# Altium PCB MINI_ESC_G0.PcbDoc
Units mm, origin at the board's own origin, x right, y up, seen from the top; angles counter-clockwise.
Board outline 51.5 x 63 mm, 2 copper layers (Top Layer, Bottom Layer); 100 components, 35 nets, 312 pads, 215 vias.
Unrouted connection lines stored in the file: 34.
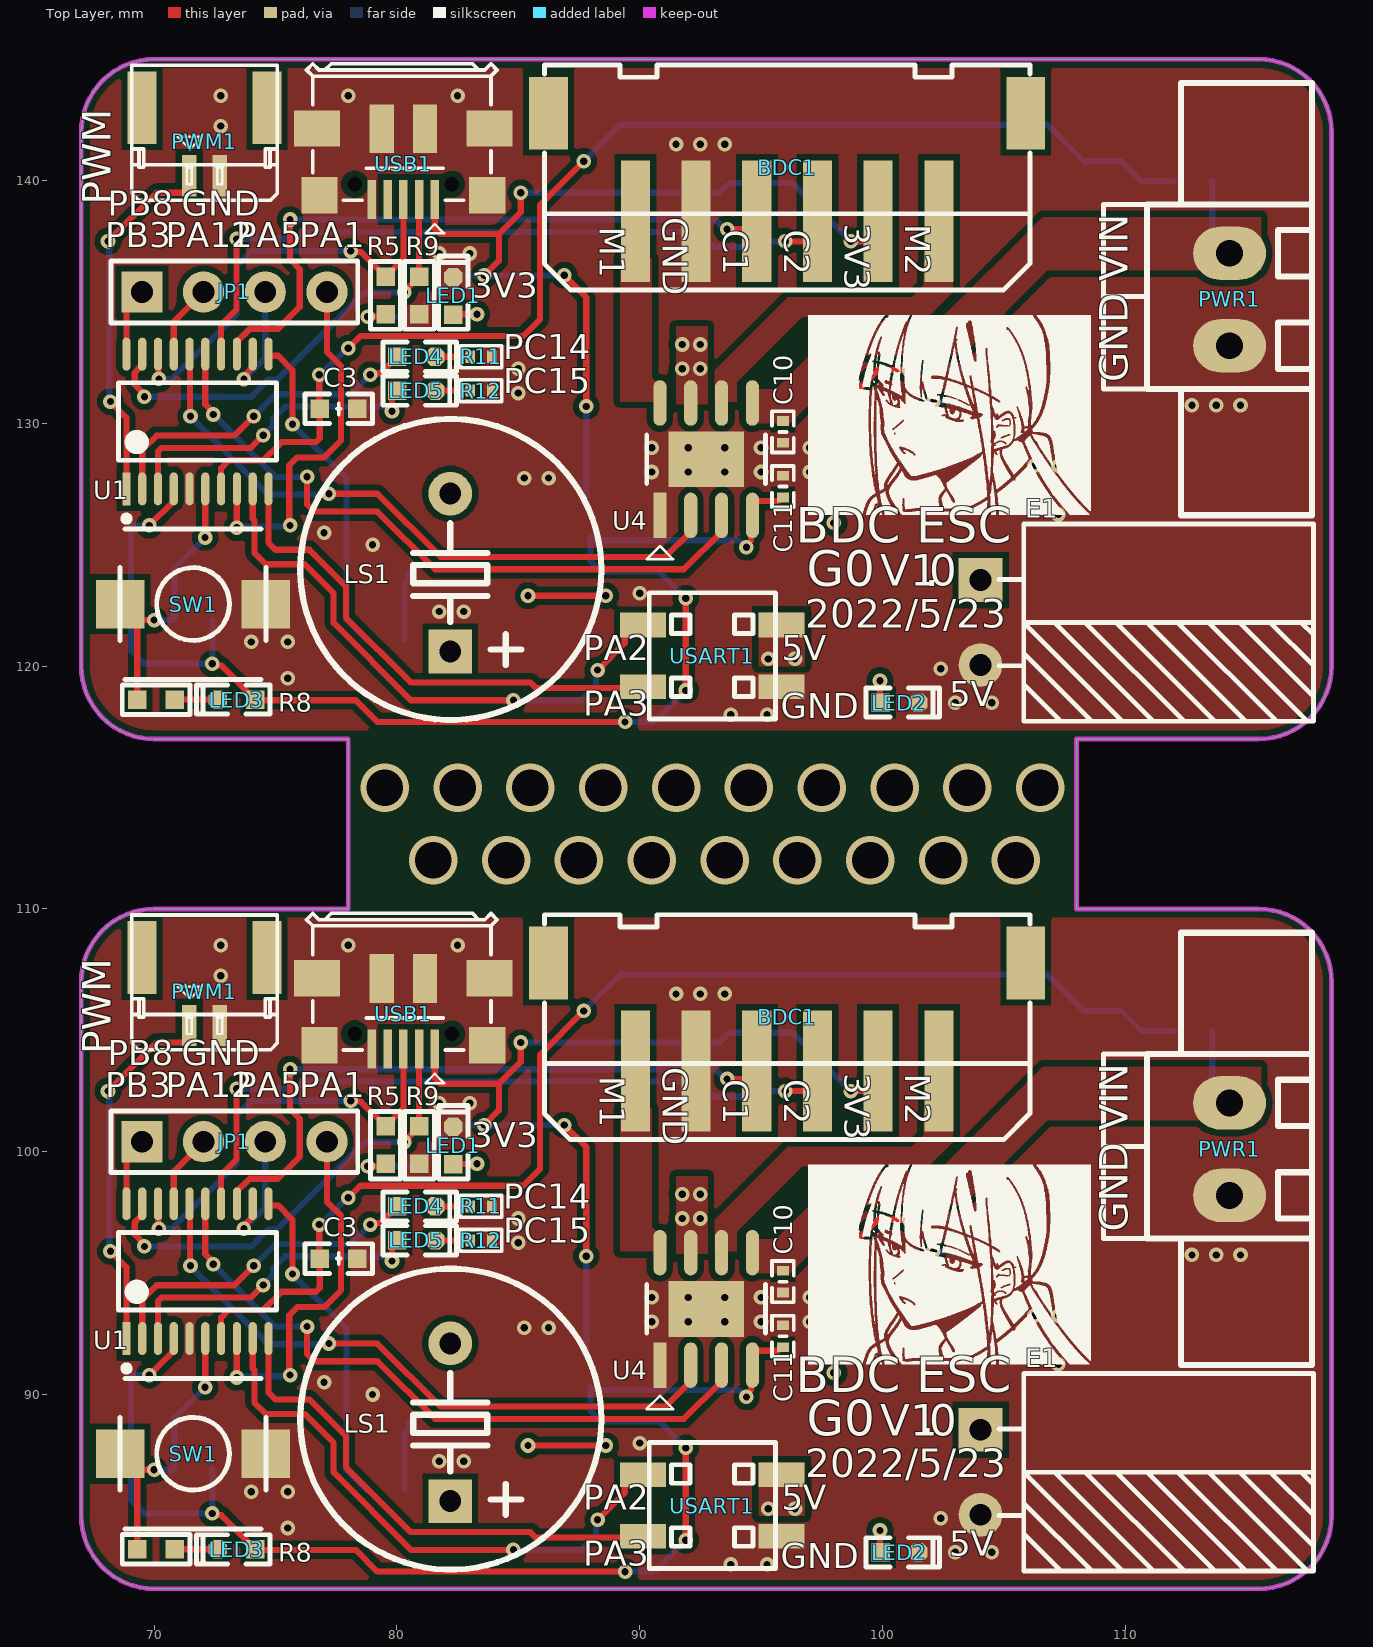
[diagram p0: Top Layer view]
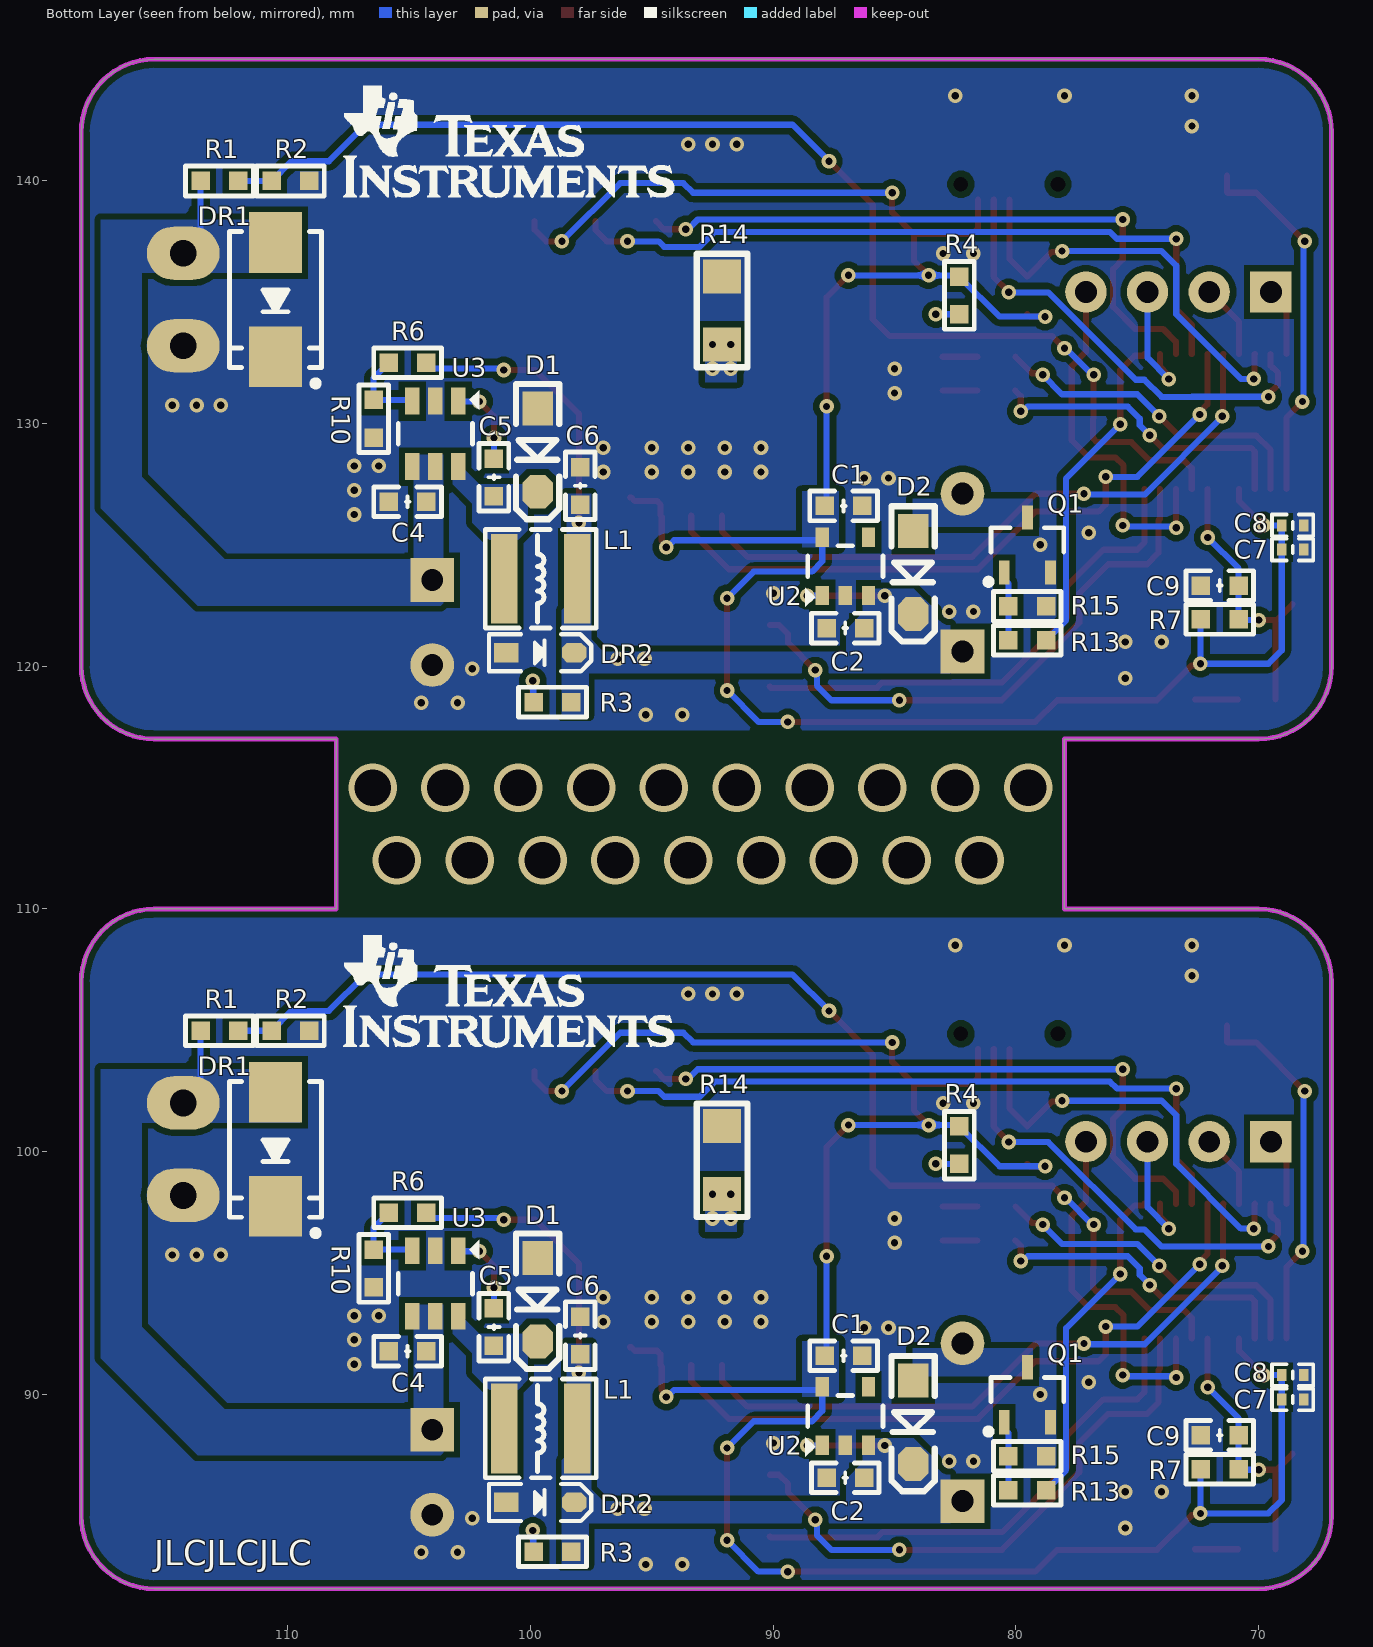
[diagram p1: Bottom Layer view, seen from below]

## Layer stack, top to bottom
Top Solder: solder mask 0.0102, Solder Resist, Dk 3.5
Top Layer: signal copper 0.0356
Dielectric 1: dielectric 0.32, FR-4, Dk 4.8
Bottom Layer: signal copper 0.0356
Bottom Solder: solder mask 0.0102, Solder Resist, Dk 3.5

## Board outline
70,82 cw(c70,85) 67,85 67,107 cw(c70,107) 70,110 78,110 78,117 70,117 cw(c70,120) 67,120 67,142 cw(c70,142) 70,145 115.5,145 cw(c115.5,142) 118.5,142 118.5,120 cw(c115.5,120) 115.5,117 108,117 108,110 115.5,110 cw(c115.5,107) 118.5,107 118.5,85 cw(c115.5,85) 115.5,82

## Design rules (kind name [scope] priority, off if disabled: settings)
Clearance Polygon [InPolygon] p1: gap=0.254 ignorepadtopadclearanceinfootprint=FALSE
Clearance [All] p2: gap=0.127 ignorepadtopadclearanceinfootprint=FALSE except(0.254: Arc-Arc Arc-Track Track-Track; 0.305: Arc-Via Arc-Hole Track-Via Track-Hole)
HoleSize [All] p1: absolutevalues=TRUE maxlimit=10 minlimit=0.3 maxpercent=80.000 minpercent=20.000
MinimumSolderMaskSliver [All] p1: minsoldermaskwidth=0
PlaneConnect [All] p1: planeconnectstyle=Direct reliefexpansion=0.508 reliefentries=4 reliefconductorwidth=0.254 reliefairgap=0.254
PolygonConnect [All] p1: connectstyle=Direct reliefconductorwidth=0.254 reliefentries=4 polygonreliefangle="90 Angle" airgapwidth=0.254
RoutingVias [All] p1: holewidth=0.3 width=0.6 viastyle="Through Hole" minholewidth=0.3 minwidth=0.6 maxholewidth=0.711 maxwidth=1.27
SilkToSilkClearance [All] p1: silktosilkclearance=0
SilkToSolderMaskClearance [IsPad] p1: minsilkscreentomaskgap=0 clearancetoexposedcopper=TRUE
SolderMaskExpansion [All] p1: expansion=0.064 istentingtop=FALSE
Width [All] p1: maxlimit=1.016 minlimit=0.127 preferedwidth=0.254
25 further rules are at their usual default settings.

## Components (designator, comment, footprint, x,y, rotation, side; value= is the part's Value field where it differs from the comment)
BDC1 "HDR-1X6" XH2.54-LS-6P 96.075,141.76 r0 top
BDC1 "HDR-1X6" XH2.54-LS-6P 96.075,106.76 r0 top
C1 "4.7uF" "C 0603_L" 87.1,126.6 r0 bottom
C1 "4.7uF" "C 0603_L" 87.1,91.6 r0 bottom
C2 "105" "C 0603_L" 87.025,121.571 r180 bottom
C2 "105" "C 0603_L" 87.025,86.571 r180 bottom
C3 "101" "C 0603_L" 77.6,130.6 r180 top
C3 "101" "C 0603_L" 77.6,95.6 r180 top
C4 "2.2μF/50V" "C 0603_L" 105.059,126.778 r0 bottom
C4 "2.2μF/50V" "C 0603_L" 105.059,91.778 r0 bottom
C5 "220nF" "C 0603_L" 101.5,127.777 r270 bottom
C5 "220nF" "C 0603_L" 101.5,92.777 r270 bottom
C6 "106" "C 0603_L" 97.947,127.428 r90 bottom
C6 "106" "C 0603_L" 97.947,92.428 r90 bottom
C7 "104" "C 0402_L" 68.6,124.8 r0 bottom
C7 "104" "C 0402_L" 68.6,89.8 r0 bottom
C8 "4.7uF" "C 0402_L" 68.6,125.8 r0 bottom
C8 "4.7uF" "C 0402_L" 68.6,90.8 r0 bottom
C9 "104" "C 0603_L" 71.604,123.322 r180 bottom
C9 "104" "C 0603_L" 71.604,88.322 r180 bottom
C10 "104" "C 0402_L" 95.9,129.65 r90 top
C10 "104" "C 0402_L" 95.9,94.65 r90 top
C11 "104" "C 0402_L" 95.9,127.4 r270 top
C11 "104" "C 0402_L" 95.9,92.4 r270 top
D1 "1N5819" SOD-123 99.7,128.9 r270 bottom
D1 "1N5819" SOD-123 99.7,93.9 r270 bottom
D2 "1N4002" SOD-123 84.231,123.857 r270 bottom
D2 "1N4002" SOD-123 84.231,88.857 r270 bottom
DR1 "SMBJ28CA" SMB 110.5,135.1 r270 bottom
DR1 "SMBJ28CA" SMB 110.5,100.1 r270 bottom
DR2 "SMF5.0A" SOD-323 99.598,120.555 r180 bottom
DR2 "SMF5.0A" SOD-323 99.598,85.555 r180 bottom
E1 "220uF/35V" "CAP 3.5*8*11.5-H - BK" 104.043,121.797 r270 top
E1 "220uF/35V" "CAP 3.5*8*11.5-H - BK" 104.043,86.797 r270 top
JP1 "HDR-1X4" HDR2.54-LI-4P 73.309,135.414 r0 top
JP1 "HDR-1X4" HDR2.54-LI-4P 73.309,100.414 r0 top
L1 "22uH" NR4030 99.574,123.603 r180 bottom
L1 "22uH" NR4030 99.574,88.603 r180 bottom
LED1 "ORANGE" "LED 0603R" 82.326,135.255 r90 top
LED1 "ORANGE" "LED 0603R" 82.326,100.255 r90 top
LED2 "PINK" "LED 0603R" 100.7,118.5 r0 top
LED2 "PINK" "LED 0603R" 100.7,83.5 r0 top
LED3 "WHITE" "LED 0603W" 73.397,118.623 r180 top
LED3 "WHITE" "LED 0603W" 73.397,83.623 r180 top
LED4 "RED" "LED 0603R" 80.802,132.747 r0 top
LED4 "RED" "LED 0603R" 80.802,97.747 r0 top
LED5 "GREEN" "LED 0603G" 80.802,131.35 r0 top
LED5 "GREEN" "LED 0603G" 80.802,96.35 r0 top
LS1 "DC5V" "BEEP 6.5x12x6" 82.199,123.857 r0 top
LS1 "DC5V" "BEEP 6.5x12x6" 82.199,88.857 r0 top
PWM1 "HDR-1X2" GH1.25-LS-2P 72.075,142.7 r180 top
PWM1 "HDR-1X2" GH1.25-LS-2P 72.075,107.7 r180 top
PWR1 "绿头卧式2P" 15EDGVM-02P-3.81mm 113.8,140.82 r90 top
PWR1 "绿头卧式2P" 15EDGVM-02P-3.81mm 113.8,105.82 r90 top
Q1 "S9013" SOT23-3L 79.532,125 r180 bottom
Q1 "S9013" SOT23-3L 79.532,90 r180 bottom
R1 "39K" "R 0603_L" 112.806,139.986 r0 bottom
R1 "39K" "R 0603_L" 112.806,104.986 r0 bottom
R2 "2.2K" "R 0603_L" 109.885,139.986 r0 bottom
R2 "2.2K" "R 0603_L" 109.885,104.986 r0 bottom
R3 "3.3K" "R 0603_L" 99.09,118.523 r180 bottom
R3 "3.3K" "R 0603_L" 99.09,83.523 r180 bottom
R4 "2K" "R 0603_L" 82.326,135.272 r90 bottom
R4 "2K" "R 0603_L" 82.326,100.272 r90 bottom
R5 "10K" "R 0603_L" 79.532,135.272 r270 top
R5 "10K" "R 0603_L" 79.532,100.272 r270 top
R6 "54.9K" "R 0603_L" 105.059,132.493 r0 bottom
R6 "54.9K" "R 0603_L" 105.059,97.493 r0 bottom
R7 "10K" "R 0603_L" 71.604,121.925 r0 bottom
R7 "10K" "R 0603_L" 71.604,86.925 r0 bottom
R8 "1K" "R 0603_L" 70.08,118.623 r0 top
R8 "1K" "R 0603_L" 70.08,83.623 r0 top
R9 "10K" "R 0603_L" 80.929,135.272 r270 top
R9 "10K" "R 0603_L" 80.929,100.272 r270 top
R10 "10K" "R 0603_L" 106.456,130.192 r270 bottom
R10 "10K" "R 0603_L" 106.456,95.192 r270 bottom
R11 "1K" "R 0402_L" 83.469,132.747 r180 top
R11 "1K" "R 0402_L" 83.469,97.747 r180 top
R12 "1K" "R 0402_L" 83.469,131.35 r180 top
R12 "1K" "R 0402_L" 83.469,96.35 r180 top
R13 "2K" "R 0603_L" 79.532,121.063 r0 bottom
R13 "2K" "R 0603_L" 79.532,86.063 r0 bottom
R14 "0.14" "R 1206_L" 92.105,134.652 r270 bottom
R14 "0.14" "R 1206_L" 92.105,99.652 r270 bottom
R15 "3.3K" "R 0603_L" 79.532,122.46 r0 bottom
R15 "3.3K" "R 0603_L" 79.532,87.46 r0 bottom
SW1 "6x6x5" "TS 2PIN 6x6x4.8" 71.604,122.56 r0 top
SW1 "6x6x5" "TS 2PIN 6x6x4.8" 71.604,87.56 r0 top
U1 "STM32G030F6P6" STMicroelectronics_TSSOP20-YA_IPC_C 71.785,130.08 r90 top
U1 "STM32G030F6P6" STMicroelectronics_TSSOP20-YA_IPC_C 71.785,95.08 r90 top
U2 "LP5907MFX-3.3" Diodes_SOT25_MFG 87.025,124.111 r90 bottom
U2 "LP5907MFX-3.3" Diodes_SOT25_MFG 87.025,89.111 r90 bottom
U3 "LMR14206XMK" Texas_Instruments_DDC0006A_0 103.916,129.572 r0 bottom
U3 "LMR14206XMK" Texas_Instruments_DDC0006A_0 103.916,94.572 r0 bottom
U4 "DRV8870DDAR" Texas_Instruments_DDA0008J_IPC_C 92.74,128.526 r90 top
U4 "DRV8870DDAR" Texas_Instruments_DDA0008J_IPC_C 92.74,93.526 r90 top
USART1 "Header2X2" HDR2.54-M-LS-2x2P 92.994,120.428 r270 top
USART1 "Header2X2" HDR2.54-M-LS-2x2P 92.994,85.428 r270 top
USB1 "USB-5P" USB-MICRO_E 80.267,142.147 r180 top
USB1 "USB-5P" USB-MICRO_E 80.267,107.147 r180 top

## Footprints (in the part's own frame and the unit in brackets; to place one, negate y for a bottom-side part, rotate by r counter-clockwise, add the part's x,y. Pads: shape width x height; smd on the part's side, far side on the other; paste and mask are expansions set on the pad)
15EDGVM-02P-3.81mm [mm]
  oval 2.2x3 hole 1.1: 1(-7.62,-0.5) 2(-3.81,-0.5)
  silkscreen extent -14.6,-3.9 3.2,2.9, body extent -14.7,-4 3.31,3, height 9.2
"BEEP 6.5x12x6" [mm] "6.5*12*6mm(脚距,直径,高度)"
  rect 1.8x1.8 hole 0.9: 1(0,-3.25)
  round 1.8 hole 0.9: 2(0,3.25)
  silkscreen extent -6.18,-6.07 6.22,6.32, body extent -6,-6 6,6, height 6.05
"C 0402_L" [mm] "无极性贴片电容"
  rect 0.4x0.5 smd: 1(-0.45,0) 2(0.45,0)
  silkscreen extent -0.85,-0.45 0.85,0.45, body extent -0.5,-0.26 0.5,0.26, height 0.53
"C 0603_L" [mil] "无极性贴片电容"
  rect 30x30 smd: 1(-30.59,0) 2(30.59,0)
  silkscreen extent -55,-24 55,24, body extent -31,-16 31,16, height 32
"CAP 3.5*8*11.5-H - BK" [mm] "脚距3.5mm直径8mm高度11.5mm"
  rect 1.8x1.8 hole 0.9: 1(-1.75,0)
  round 1.8 hole 0.9: 2(1.75,0)
  silkscreen extent -4.06,0.76 4.06,13.72, body extent -4,-0.3 4.01,13.41, height 8.03
Diodes_SOT25_MFG [mm]
  rect 0.8x0.55 smd paste+0 mask+0: 1(-1.2,0.95) 2(-1.2,0) 3(-1.2,-0.95) 4(1.2,-0.95) 5(1.2,0.95)
  silkscreen extent -1.67,-1.55 0.85,1.65, body extent -1.4,-1.47 1.4,1.45, height 1.45
GH1.25-LS-2P [mm] "A1257WR-S-2P"
  rect 1.2x3 smd: 0(-2.575,-0.3) 0(2.575,-0.3)
  rect 0.6x1.7 smd: 1(0.625,2.5) 2(-0.625,2.5)
  silkscreen extent -3,-2.05 3,2.85, body extent -2.88,-2.05 2.88,2.85, height 4.08
HDR2.54-LI-4P [mm] "排针，4脚"
  rect 1.7x1.7 hole 0.9: 1(-3.81,0)
  round 1.7 hole 0.9: 2(-1.27,0) 3(1.27,0) 4(3.81,0)
  silkscreen extent -5.08,-1.27 5.08,1.27, body extent -5.08,-1.27 5.08,1.27, height 8.5
HDR2.54-M-LS-2x2P [mm] "脚距：2.54mm，贴片双排母"
  rect 1.02x1.9 smd: 1(-1.27,2.85) 2(-1.27,-2.85) 3(1.27,2.85) 4(1.27,-2.85)
  silkscreen extent -2.6,-2.6 2.6,2.6, body extent -2.57,-3.2 2.57,3.2, height 5.15
"LED 0603G" [mil] "绿色0603LED"
  rect 30x30 smd: 1(-30.59,0)
  oct 30x30 smd: 2(30.59,0)
  silkscreen extent -54,-24 65,24, body extent -31,-16 32,16, height 24
"LED 0603R" [mil] "红色0603LED"
  rect 30x30 smd: 1(-30.59,0)
  oct 30x30 smd: 2(30.59,0)
  silkscreen extent -54,-24 65,24, body extent -31,-16 32,16, height 24
"LED 0603W" [mil] "白色0603LED"
  rect 30x30 smd: 1(-30.59,0)
  oct 30x30 smd: 2(30.59,0)
  silkscreen extent -54,-24 65,24, body extent -31,-16 32,16, height 24
NR4030 [mm] "4.0mm*4.0mm*3.0mm(长*宽*高）"
  rect 1.1x3.7 smd: 1(-1.5,0) 2(1.5,0)
  silkscreen extent -2.29,-2.03 2.29,2.03, body extent -2,-2 2,2, height 3.1
"R 0402_L" [mm] "1/16W贴片电阻"
  rect 0.4x0.5 smd: 1(-0.45,0) 2(0.45,0)
  silkscreen extent -0.85,-0.45 0.85,0.45, body extent -0.5,-0.25 0.5,0.25, height 0.3
"R 0603_L" [mil] "1/10W贴片电阻"
  rect 30x30 smd: 1(-30.59,0) 2(30.59,0)
  silkscreen extent -55,-24 55,24, body extent -31,-16 31,16, height 16
"R 1206_L" [mil] "1/4W贴片电阻"
  rect 55x62 smd: 1(-55.12,0) 2(55.11,0)
  silkscreen extent -92,-41 92,41, body extent -63,-31 63,31, height 22
SMB [mm] "4.7*3.9*2.2mm(长宽高，不包括引脚）"
  rect 2.5x2.2 smd: 1(-2.35,0) 2(2.35,0)
  silkscreen extent -2.8,-1.9 3.57,1.9, body extent -2.63,-1.8 2.67,1.8, height 2.35
SOD-123 [mil] "2.7x1.6X1.1mm（长宽高，不包括引脚）"
  rect 55x50 smd: 1(-67.5,0)
  oct 55x50 smd: 2(67.5,0)
  silkscreen extent -108,-35 112,35, body extent -73,-31 73,31, height 48
SOD-323 [mm] "1.8x1.3X0.9mm（长宽高，不包括引脚）"
  rect 1x0.8 smd: 1(-1.4,0)
  oct 1x0.8 smd: 2(1.4,0)
  silkscreen extent -2.11,-0.76 2.11,0.76, body extent -1.34,-0.63 1.31,0.67, height 1
SOT23-3L [mm] "3x1.3x1mm(长宽高)"
  rect 0.45x1 smd: 1(-0.95,-1.143) 2(0.95,-1.143) 3(0,1.125)
  silkscreen extent -1.73,-1.65 1.5,0.7, body extent -1.5,-1.2 1.5,1.2, height 1.05
STMicroelectronics_TSSOP20-YA_IPC_C [mm]
  rect 1.355x0.341 smd paste+0 mask+0: 1(-2.775,2.925)
  rrect100% 1.355x0.341 smd paste+0 mask+0: 2(-2.775,2.275) 3(-2.775,1.625) 4(-2.775,0.975) 5(-2.775,0.325) 6(-2.775,-0.325) 7(-2.775,-0.975) 8(-2.775,-1.625) 9(-2.775,-2.275) 10(-2.775,-2.925) 11(2.775,-2.925) 12(2.775,-2.275) 13(2.775,-1.625) 14(2.775,-0.975) 15(2.775,-0.325) 16(2.775,0.325) 17(2.775,0.975) 18(2.775,1.625) 19(2.775,2.275) 20(2.775,2.925)
  silkscreen extent -4.13,-3.25 1.6,3.25, body extent -3.55,-3.35 3.55,3.35, height 0.25
Texas_Instruments_DDA0008J_IPC_C [mm]
  rect 1.874x0.542 smd paste+0 mask+0: 1(-2.316,1.905)
  rrect100% 1.874x0.542 smd paste+0 mask+0: 2(-2.316,0.635) 3(-2.316,-0.635) 4(-2.316,-1.905) 5(2.316,-1.905) 6(2.316,-0.635) 7(2.316,0.635) 8(2.316,1.905)
  rect 2.3x3.1 smd paste-1000 mask+0: 9(0,0)
  silkscreen extent -1,-2.45 1,2.45, body extent -3.35,-2.55 3.35,2.55, height 0.25
Texas_Instruments_DDC0006A_0 [mm]
  rect 0.6x1.1 smd paste+0 mask+0: 1(-0.95,-1.35) 2(0,-1.35) 3(0.95,-1.35) 4(0.95,1.35) 5(0,1.35) 6(-0.95,1.35)
  silkscreen extent -1.8,-1.8 1.53,0.43, body extent -1.45,-1.4 1.45,1.4, height 0.97
"TS 2PIN 6x6x4.8" [mm] "贴片轻触开关6x6x4.8"
  rect 2x2 smd: 1(-3,0) 2(3,0)
  silkscreen extent -3,-3.1 3,3.1, body extent -3.3,-3 3.3,3, height 5
USB-MICRO_E [mm] "micro型USB ，5.9*8.2*2.5mm"
  round 0 hole 0.6 unplated: 0(-2,2.294) 0(2,2.294)
  rect 0.35x1.6 smd: 1(-1.295,2.921) 2(-0.648,2.921) 3(0,2.921) 4(0.648,2.921) 5(1.295,2.921)
  rect 1.9x1.5 smd: 5(-3.556,0) 5(3.556,0)
  rect 1.5x1.5 smd: 5(-3.454,2.754) 5(3.454,2.754)
  rect 1x2 smd: 5(-0.889,0.01) 5(0.889,0.01)
  silkscreen extent -3.86,-2.67 3.99,4.32, body extent -4,-2.72 4,3.36, height 2.8
XH2.54-LS-6P [mm] "长：20mm，宽：6mm，高：8.3mm"
  rect 1.6x3 smd: 0(-9.826,1.016) 0(9.826,1.016)
  rect 1.2x5 smd: 1(-6.25,-3.433) 2(-3.75,-3.433) 3(-1.25,-3.433) 4(1.25,-3.433) 5(3.75,-3.433) 6(6.25,-3.433)
  silkscreen extent -10,-3.13 10,3, body extent -10,-6 10,3, height 8

## Part data
BDC1 BDC1: library part "Header 6", "6P接插件", BOM名称=6P接插件
C1 C1 C2 C2 C3 C3 C4 C4 C5 C5 C6 C6 C7 C7 C8 C8 C9 C9 C10 C10 C11 C11: library part C, "无极性贴片电容", BOM名称=无极性贴片电容, 材质=X7R
D1 D1: "肖特基二极管", BOM名称=肖特基二极管, 属性=40V/2A
D2 D2: library part 1N4007, "整流二极管", BOM名称=整流二极管
DR1 DR1 DR2 DR2: library part DR, "瞬态电压抑制二极管", BOM名称=瞬态电压抑制二极管
E1 E1: library part C-CAP, "直插电解电容", BOM名称=直插电解电容
JP1 JP1: library part "Header 4", "4P接插件", BOM名称=4P接插件
L1 L1: library part L-NR, "NR磁胶电感", BOM名称=NR磁胶电感
LED1 LED1 LED2 LED2 LED3 LED3 LED4 LED4 LED5 LED5: library part LED-SMD, "贴片LED", BOM名称=贴片LED
LS1 LS1: library part BEEP, "蜂鸣器", BOM名称=蜂鸣器
PWM1 PWM1: library part "Header 2", "2P接插件", BOM名称=2P接插件
PWR1 PWR1: "3.81间距"
Q1 Q1: library part 9013-SMD, "低频放大-NPN型", BOM名称=低频放大-NPN型, 属性=50V?0.5A?0.625W
R1 R1 R2 R2 R3 R3 R4 R4 R5 R5 R6 R6 R7 R7 R8 R8 R9 R9 R10 R10 R11 R11 R12 R12 R13 R13 R14 R14 R15 R15: library part R, "贴片电阻", BOM名称=贴片电阻
SW1 SW1: library part "TSW SMD-2Pin-6x6", "2脚贴片6x6无声硅胶轻触开关", BOM名称=2脚轻触开关
U1 U1: "Arm® Cortex®-M0+ 32-bit MCU, up to 64 KB Flash, 8 KB RAM, / 2x USART, timers, ADC, comm. I/Fs, 2.0-3.6V"
U2 U2: library part LP5907MFX-3.3-NOPB, "250-mA ultra-low-noise low-IQ low-dropout (LDO) linear regulator 5-SOT-23 -40 to 125"
U3 U3: "4.5V to 42V, 0.6A Step-Down DC/DC Switching Regulator in SOT-23 Package 6-SOT-23-THIN -40 to 125"
U4 U4: "50-V, 3.6-A H-bridge motor driver with current regulation 8-SO PowerPAD -40 to 125"
USART1 USART1: library part "Header 2X2", "2*2P接插件", BOM名称=2*2P接插件
USB1 USB1: "微型USB母座", BOM名称=微型USB母座

## Via types
v1: diameter 0.6, hole 0.3, Top Layer to Bottom Layer, tented both sides, 196 vias
v2: diameter 2, hole 1.5, Top Layer to Bottom Layer, 19 vias

## Nets (pads, with @x,y where several pads share a name; then routed paths per layer and width w, separated by ;. In a path a pad name is that pad's centre, name@x,y a point inside that pad or via, vN(x,y) a via of type N, cw(c..) or ccw(c..) an arc to the next point about the centre after c; other vN are vias at no path point)
3V3: BDC1.5 C1.2 C7.2 C8.2 C11.2 LED3.1 R4.2 R5.2 R7.2 U1.4 U2.5 U4.4 USB1.1 | length 193.8
  Top Layer w0.254: v1(69.8,90.8) 69.806,90.8 70.81,91.804 U1.4@70.81,92.305 ; v1(69.8,125.8) 69.806,125.8 70.81,126.804 U1.4@70.81,127.305 ; v1(72.4,85.1) 72.466,85.034 72.763,85.034 74.174,83.623 74.197,83.6 78.3,83.6 79.195,82.705 v1(89.4,82.705) ; v1(72.4,120.1) 72.466,120.034 72.763,120.034 74.174,118.623 74.197,118.6 78.3,118.6 79.195,117.705 v1(89.4,117.705) ; v1(78.8,99.4) 79.437,99.4 R5.2@79.532,99.495 ; v1(78.8,134.4) 79.437,134.4 R5.2@79.532,134.495 ; USB1.1@81.562,104.226 81.562,103.038 81.8,102.8 84.2,102.8 ; USB1.1@81.562,139.226 81.562,138.038 81.8,137.8 84.2,137.8 ; v1(83.6,101.1) 84.2,101.7 84.2,102.8 ; v1(83.6,136.1) 84.2,136.7 84.2,137.8 ; v1(85.1,104.5) 85.1,103.7 84.2,102.8 ; v1(85.1,139.5) 85.1,138.7 84.2,137.8 ; v1(86.9,101.1) 87.8,100.2 v1(87.8,95.7) ; v1(86.9,136.1) 87.8,135.2 v1(87.8,130.7) ; v1(91.9,84) v1(91.9,87.8) ; v1(91.9,119) v1(91.9,122.8) ; 94.59,90.183 94.59,91.155 94.645,91.21 94.645,91.667 94.778,91.8 95.7,91.8 95.85,91.95 C11.2@95.9,91.95 ; 94.59,125.183 94.59,126.155 94.645,126.21 94.645,126.667 94.778,126.8 95.7,126.8 95.85,126.95 C11.2@95.9,126.95 ; v1(98.7,102.5) 99.352,102.5 99.825,102.973 BDC1.5@99.825,103.327 ; v1(98.7,137.5) 99.352,137.5 99.825,137.973 BDC1.5@99.825,138.327
  Bottom Layer w0.254: v1(69.8,90.8) 69.05,90.8 69.05,89.8 69.05,85.65 69.6,85.1 v1(72.4,85.1) 72.4,86.906 R7.2@72.381,86.925 ; v1(69.8,125.8) 69.05,125.8 69.05,124.8 69.05,120.65 69.6,120.1 v1(72.4,120.1) 72.4,121.906 R7.2@72.381,121.925 ; v1(78.8,99.4) 80.677,99.4 82.326,101.049 82.377,101.1 v1(86.9,101.1) ; v1(78.8,134.4) 80.677,134.4 82.326,136.049 82.377,136.1 v1(86.9,136.1) ; v1(85.1,104.5) 93.3,104.5 93.7,104.9 96.3,104.9 v1(98.7,102.5) ; v1(85.1,139.5) 93.3,139.5 93.7,139.9 96.3,139.9 v1(98.7,137.5) ; v1(87.8,95.7) 87.8,91.677 C1.2@87.877,91.6 ; v1(87.8,130.7) 87.8,126.677 C1.2@87.877,126.6 ; U2.5@87.975,90.311 U2.5@87.975,90.186 ; U2.5@87.975,125.311 U2.5@87.975,125.186 ; v1(89.4,82.705) 90.605,82.705 v1(91.9,84) ; v1(89.4,117.705) 90.605,117.705 v1(91.9,119) ; v1(91.9,87.8) 90.8,88.9 88.4,88.9 87.975,89.325 U2.5@87.975,90.186 ; v1(91.9,122.8) 90.8,123.9 88.4,123.9 87.975,124.325 U2.5@87.975,125.186 ; v1(94.4,89.9) 94.364,89.9 94.078,90.186 U2.5@87.975,90.186 ; v1(94.4,124.9) 94.364,124.9 94.078,125.186 U2.5@87.975,125.186